# Altium PCB PCB1.PcbDoc (part 2 of 4) (continued)
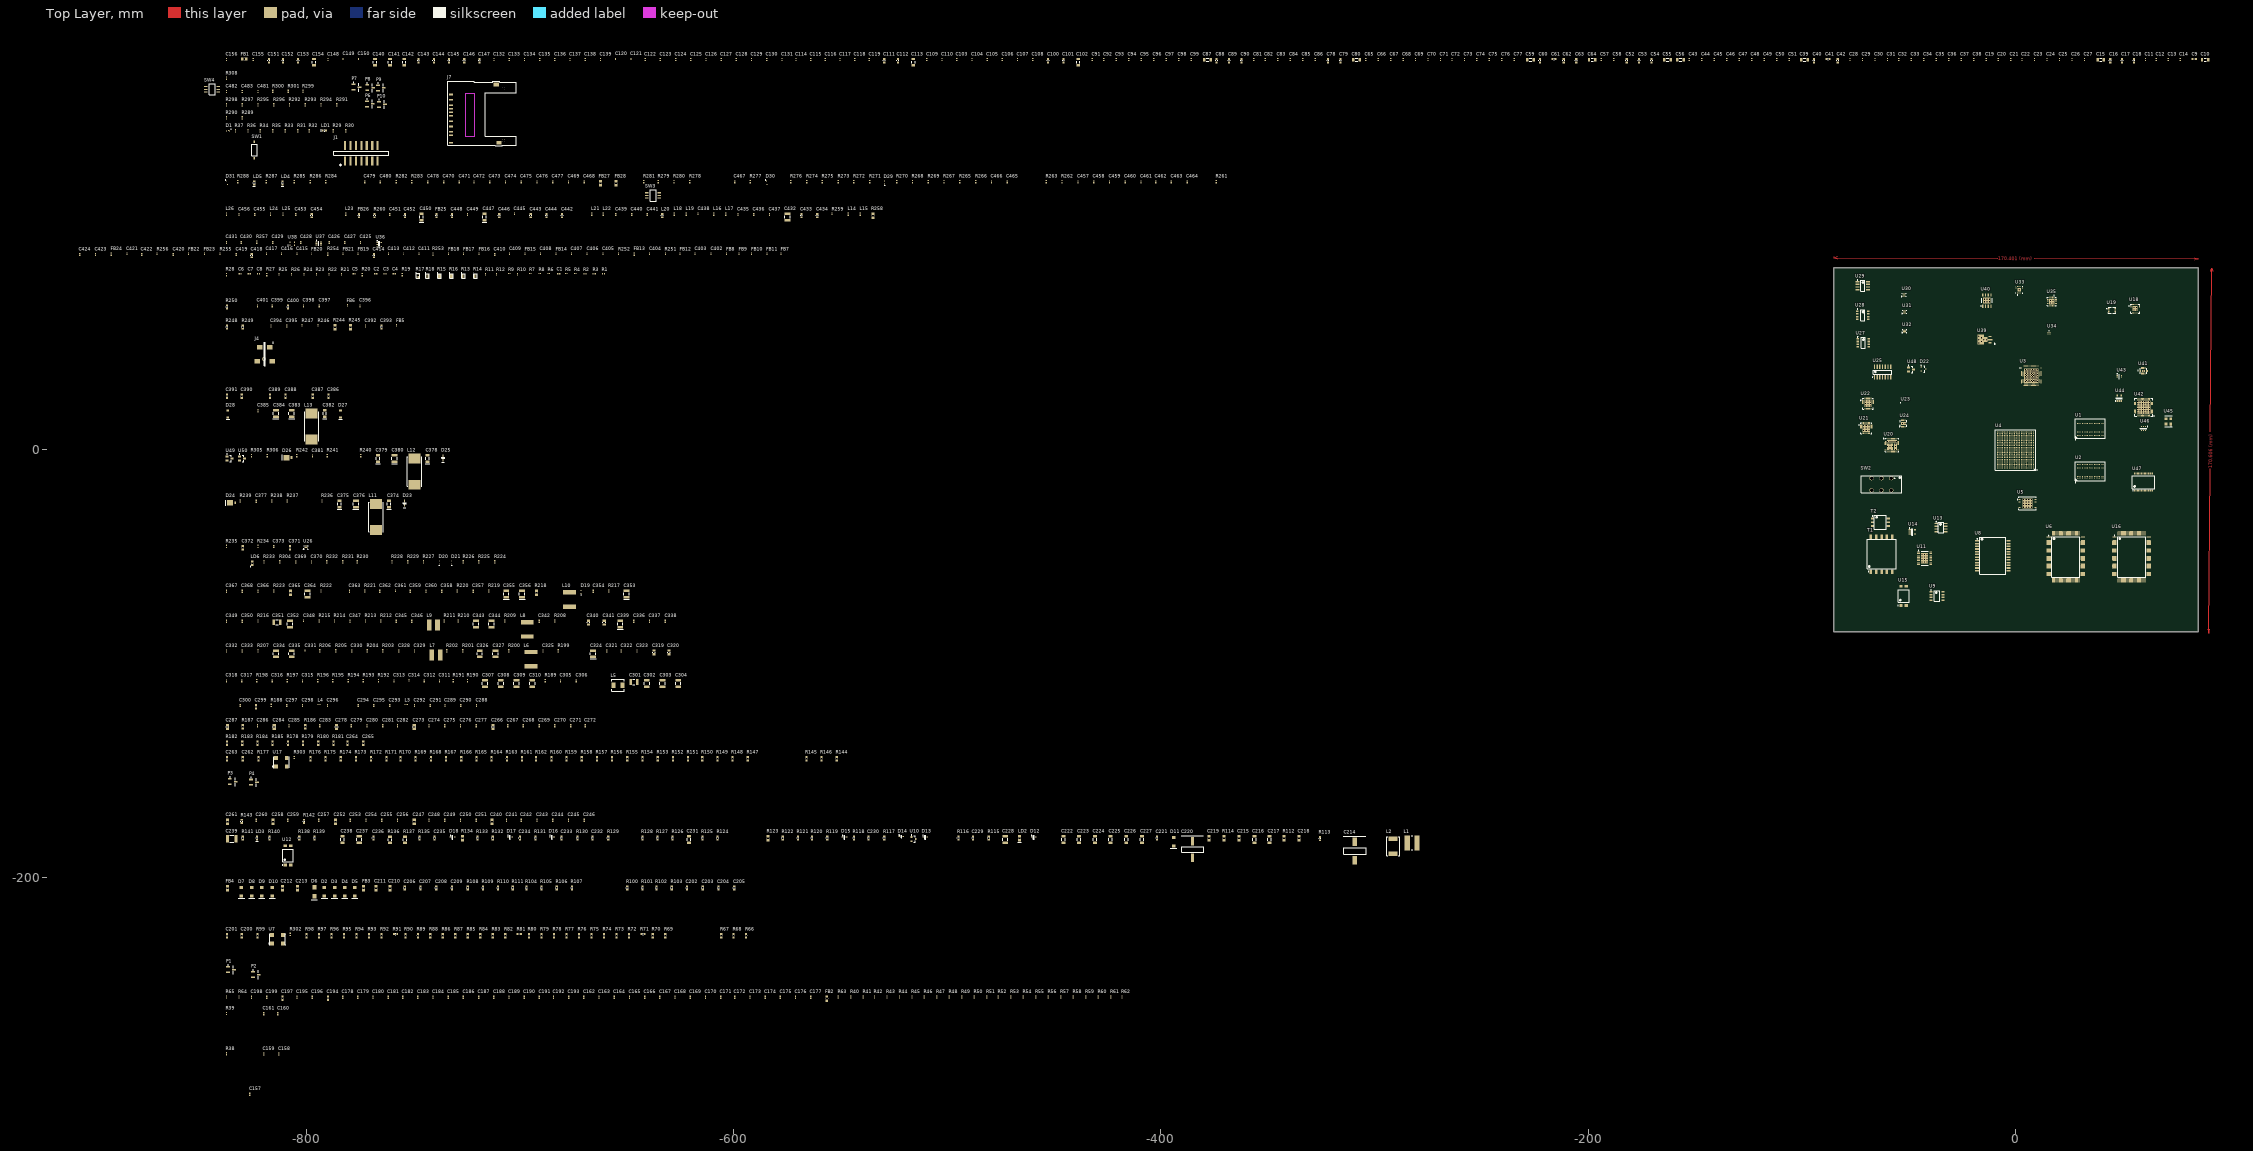
[diagram p0: Top Layer view]
## Components (designator, comment, footprint, x,y, rotation, side; value= is the part's Value field where it differs from the comment) (continued)
R272 "RES_0402" RESC0402(1005)_N -543.621,125.6 r90 top
R273 "RES_0402" RESC0402(1005)_N -550.987,125.6 r90 top
R274 "RES_0402" RESC0402(1005)_N -565.719,125.6 r90 top
R275 "RES_0402" RESC0402(1005)_N -558.353,125.6 r90 top
R276 "RES_0402" RESC0402(1005)_N -573.085,125.6 r90 top
R277 "RES_0402" RESC0402(1005)_N -592.135,125.6 r90 top
R278 "RES_0402" RESC0402(1005)_N -620.456,125.6 r90 top
R279 "RES_0402" RESC0402(1005)_N -635.188,125.6 r90 top
R280 "RES_0402" RESC0402(1005)_N -627.822,125.6 r90 top
R281 "RES_0402" RESC0402(1005)_N -642.046,125.6 r90 top
R282 "RES_0402" RESC0402(1005)_N -757.87,125.6 r90 top
R283 "RES_0402" RESC0402(1005)_N -750.504,125.6 r90 top
R284 "RES_0402" RESC0402(1005)_N -790.763,125.6 r90 top
R285 "RES_0402" RESC0402(1005)_N -805.495,125.6 r90 top
R286 "RES_0402" RESC0402(1005)_N -798.129,125.6 r90 top
R287 "RES_0402" RESC0402(1005)_N -818.703,125.6 r90 top
R288 "RES_0402" RESC0402(1005)_N -831.911,125.6 r90 top
R289 "RES_0402" RESC0402(1005)_N -829.879,155.445 r90 top
R290 "RES_0402" RESC0402(1005)_N -837.245,155.445 r90 top
R291 "RES_0402" RESC0402(1005)_N -785.683,161.541 r90 top
R292 "RES_0402" RESC0402(1005)_N -807.781,161.541 r90 top
R293 "RES_0402" RESC0402(1005)_N -800.415,161.541 r90 top
R294 "RES_0402" RESC0402(1005)_N -793.049,161.541 r90 top
R295 "RES_0402" RESC0402(1005)_N -822.513,161.541 r90 top
R296 "RES_0402" RESC0402(1005)_N -815.147,161.541 r90 top
R297 "RES_0402" RESC0402(1005)_N -829.879,161.541 r90 top
R298 "RES_0402" RESC0402(1005)_N -837.245,161.541 r90 top
R299 "RES_0402" RESC0402(1005)_N -801.431,167.891 r90 top
R300 "RES_0402" RESC0402(1005)_N -815.655,167.891 r90 top
R301 "RES_0402" RESC0402(1005)_N -808.289,167.891 r90 top
R302 "RES_0402" RESC0402(1005)_N -807.4,-226.698 r90 top
R303 "RES_0402" RESC0402(1005)_N -805.622,-143.894 r90 top
R304 "RES_0402" RESC0402(1005)_N -812.353,-52.327 r90 top
R305 "RES_0402" RESC0402(1005)_N -825.561,-2.67 r90 top
R306 "RES_0402" RESC0402(1005)_N -818.195,-2.67 r90 top
R308 "RES_0402" RESC0402(1005)_N -837.245,173.987 r90 top
SW1 "CHS-01TB" DIP_Switch_SPST_CopalElectronics_CHS-01TB -824.225,140.375 r90 top
SW2 "SPDT_Power" SPDT_Power_L102021ML04Q_Thru-Hole -62.7,-16.05 r270 top
SW3 "PushBut_Switch" PushButtonSwitch_CnK_1.14002.1110000 -637.575,119.125 r180 top
SW4 "PushBut_Switch" PushButtonSwitch_CnK_1.14002.1110000 -843.975,168.775 r0 top
T1 "FlybckTrans_Wurth_750310742" FlybckTrans_Wurth_750310742_10PinSMD -62.625,-48.725 r90 top
T2 "Trans_Coilcraft_DA2319-ALC" Trans_Coilcraft_DA2319-ALC_SOP-6 -63.175,-33.825 r0 top
U1 "MICRON_MT41J128M16HA_15ED" DDR3_MICRON_MT41J128M16HA-15ED_FBGA96 35,10 r90 top
U2 "MICRON_MT41J128M16HA_15ED" DDR3_MICRON_MT41J128M16HA-15ED_FBGA96 35,-10 r90 top
U3 "LMS6002DFN" RF_Transceiver_LimeMicro_LMS6002D_DQFN-116 7.475,34.8 r0 top
U4 "ZYNQ_XC7Z020CLG484PKG" ZYNQ_xc7z020clg484pkg_BGA-484 0,0 r180 top
U5 "SPI_Flash_S25FL256SAGNFI00" SPI_Flash_S25FL256SAGNFI00_WSON-8 5.675,-25 r0 top
U6 "EthernetPHY_TI_DP83865DVH" EthernetPHY_TI_DP83865(PQFP)_VLA128A_N 23.6,-50.05 r0 top
U7 "Oscillator_Vectron_VCC1-B2B-25M000" Oscillator_Vectron_VCC1-B2B-25M000_SMD -813.369,-228.984 r0 top
U8 "GigabitTransformer_Pulse_H6062NLT" GigabitTransformer_H6062NLT_SOP-24 -10.55,-49.525 r0 top
U9 "NMOS_Infinion_BSO051N03MS G" "NMOS_Infinion_BSO051N03MS G_PG-DSO-8" -36.7,-68.35 r0 top
U10 "PNP_ON_MMBT3906LT1G" MMBT3906LT1G_SOT23-3 -515.681,-182.121 r0 top
U11 "PoEControler_ST_PM8803TR" PoEControler_ST_PM8803TR_HTSSOP20 -42.5,-50.675 r0 top
U12 "OptoCoup_Fairchild_FOD817ASD" OptoCoup_Fairchild_FOD817ASD_4-SMD -808.45,-189.75 r90 top
U13 "NMOS_Vishay_SI4848DY-T1-E3" NMOS_Vishay_SI4848DY-T1-E3_SO-8 -34.825,-36.325 r0 top
U14 "ShuntRegu_ST_TS431AILT" ShuntRegu_ST_TS431AILT_SOT23-5 -48.25,-38.35 r0 top
U15 "OptoCoup_Fairchild_FOD817ASD" OptoCoup_Fairchild_FOD817ASD_4-SMD -52.325,-68.3 r90 top
U16 "EthernetPHY_TI_DP83865DVH" EthernetPHY_TI_DP83865(PQFP)_VLA128A_N 54.35,-50.05 r0 top
U17 "Oscillator_Vectron_VCC1-B2B-25M000" Oscillator_Vectron_VCC1-B2B-25M000_SMD -811.591,-146.18 r0 top
U18 "GPSReceiver_Skyworks_SE4110L" GPSReceiver_Skyworks_SE4110L_24QFN 56.075,66.125 r0 top
U19 "TCXO_TXC_7Q-16.368MBG-T" TCXO_TXC_7Q-16.368MBG-T_4-PIN 45.225,65.45 r0 top
U20 "MAX-MAX8686-SQ43" MAX_MAX8686_T4066M+1_N -57.775,2.275 r0 top
U21 "MAX_MAX15021ATI" MAX_MAX15021ATI_28TQFN_T2855-6 -69.8,10.225 r0 top
U22 "MAX_MAX15021ATI" MAX_MAX15021ATI_28TQFN_T2855-6 -68.975,21.7 r0 top
U23 "MAX_MAX15053EWL" MAX_MAX15053EWL_9WLP_W91E1Z+1 -52.85,21.15 r0 top
U24 "MAX_MAX1510ETB" MAX_MAX1510ETB_10TDFN_T1033+1 -52.3,12.4 r0 top
U25 "QuadComp_Fairchild_LM339M" QuadComp_Fairchild_LM339MX-NOPB_14SOIC -62.15,36.475 r90 top
U26 "LDO_Micrel_MIC94325YMTTR" LDO_Micrel_MIC94325YMTTR_TDFN-6 -800.034,-45.596 r0 top
U27 "Regulator_LT_LT1376CS8#PBF" LT1376CS8#PBF_8SOIC -71.25,50.15 r0 top
U28 "Regulator_LT_LT1376CS8#PBF" LT1376CS8#PBF_8SOIC -71.375,63.075 r0 top
U29 "Regulator_LT_LT1507CS8-3.3#PBF" Regulator_LT_LT1507CS8-3.3#PBF_8SOIC -71.425,76.875 r0 top
U30 "LDO_Micrel_MIC94355-GYMTTR" LDO_Micrel_MIC94325YMTTR_TDFN-6 -52.025,72.55 r0 top
U31 "LDO_Micrel_MIC94355-GYMTTR" LDO_Micrel_MIC94325YMTTR_TDFN-6 -51.8,64.55 r0 top
U32 "LDO_Micrel_MIC94355-GYMTTR" LDO_Micrel_MIC94325YMTTR_TDFN-6 -51.8,55.575 r0 top
U33 "Switch_Peregrine_PE42440" Switch_Peregrine_PE42440_16-QFN 1.8,75 r90 top
U34 "Balun_AnarenB0322J5050AHF" Balun_AnarenB0322J5050AHF_6-PIN_SMD 15.775,54.925 r0 top
U35 "Switch_Hittite_HMC849LP4CE" Switch_Hittite_HMC849LP4CE_16-QFN 17.05,69.45 r270 top
U36 "LDO_TI_LP3985" LDO_TI_LP3985_SOT23-5 -765.744,96.136 r0 top
U37 "LevelTranslator_TI_SN74AVC1T45" "LevelTranslator_TI_SN74AVC1T45 _SC70-6" -794.065,96.644 r0 top
U38 "TCXO_KYOCERA_KT2520Y40000ECV28TBA" TCXO_KYOCERA_KT2520Y40000ECV28TBA_PCB-6PIN -806.511,96.517 r0 top
U39 "GainBlock_RFMD_SGA6489" GainBlock_RFMD_SGA6489_PCB -13.4,51.65 r180 top
U40 "PA_RFMD_RFPA3800" PA_RFMD_RFPA3800_8-SOIC -13.35,69.95 r90 top
U41 "Buffer_74LCX126" Buffer_Fairchild_74LCX126_DQFN-14 60,37 r0 top
U42 "COM-UART-FT232H-SQ48" USB_COM_FTDI_FT232HQTRAY_QFN48_N 60,20 r180 top
U43 "Buffer_NCWZ07" Buffer_Fairchild_NCWZ07_SC70-6 48.625,34.225 r0 top
U44 "Buffer_NC7SZ125" Buffer_Fairchild_NC7SZ125_SOT95P280X145-5N 48.625,24.275 r90 top
U45 "FXO-HC536R-12" Oscillator_Fox_767-12-69_HC5 71.6,13.425 r90 top
U46 "EEPROM_Microchip_93LC56BT_IOT" EEPROM_Microchip_93LC56BT_IOT_SOT23-6 60,10 r270 top
U47 "CYPRESS_CY7C64225" Cypress_USB_UART_CY7C64225_SSSOP28 60,-15 r90 top
U48 "NMOS_Fairchild_FDV301" NMOS_FAIRCHILD_FDV301_SOT23-3 -48.898,37.603 r0 top
U49 "NMOS_Fairchild_FDV301" NMOS_FAIRCHILD_FDV301_SOT23-3 -835.848,-3.94 r0 top
U50 "NMOS_Fairchild_FDV301" NMOS_FAIRCHILD_FDV301_SOT23-3 -830.006,-3.94 r0 top

## Footprints (in the part's own frame and the unit in brackets; to place one, negate y for a bottom-side part, rotate by r counter-clockwise, add the part's x,y. Pads: shape width x height; smd on the part's side, far side on the other; paste and mask are expansions set on the pad)
Balun_AnarenB0322J5050AHF_6-PIN_SMD [mm]
  rect 0.41x0.33 smd: 1(-0.495,0.65) 2(-0.495,0) 3(-0.495,-0.65) 4(0.495,-0.65) 5(0.495,0) 6(0.495,0.65)
  silkscreen extent -0.05,0.84 0.05,0.94, body extent -0.69,-1.07 0.69,1.07, height 0.78
BarrelJack_PJ-028-SMT [mm]
  rect 2.6x2.2 smd: 1(2.3,3.25) 2(-2.3,3.25) 3(-3.5,-3.25) 3(3.5,-3.25)
  round 1.8 hole 1.4: 3(-0.4,-2.25)
  silkscreen extent -0.28,-5.5 4.06,5.53, body extent -3,-5.5 3,5.5, height 4.3
Buffer_Fairchild_74LCX126_DQFN-14 [mm]
  rect 0.9x0.24 smd: 1(-1.55,0.25) 2(-1.55,-0.25) 8(1.55,-0.25) 9(1.55,0.25)
  rect 0.24x0.9 smd: 3(-1,-1.3) 4(-0.5,-1.3) 5(0,-1.3) 6(0.5,-1.3) 7(1,-1.3) 10(1,1.3) 11(0.5,1.3) 12(0,1.3) 13(-0.5,1.3) 14(-1,1.3)
  rect 1.4x1 smd: 15(0,0)
  silkscreen extent -2.67,-1.25 1.52,1.25, body extent -1.5,-1.25 1.5,1.25, height 0.8
Buffer_Fairchild_NC7SZ125_SOT95P280X145-5N [mm] "SOT23, 5-Leads, Body 3.0x3.0mm (max), Pitch 0.95mm, IPC Medium Density"
  rect 1x0.7 smd: 1(-1.3,0.95) 2(-1.3,0) 3(-1.3,-0.95) 4(1.3,-0.95) 5(1.3,0.95)
  silkscreen extent -1.42,-1.5 0.25,1.97, body extent -0.85,-1.5 0.85,1.5, height 1.45
Buffer_Fairchild_NCWZ07_SC70-6 [mm] "NC7WZ07, dual non-inverting buffer, SC-70-6 (SOT-363)"
  rect 0.5x0.4 smd: 1(-0.95,0.65) 2(-0.95,0) 3(-0.95,-0.65) 4(0.95,-0.65) 5(0.95,0) 6(0.95,0.65)
  silkscreen extent -1.07,-1.1 0.1,1.52, body extent -0.67,-1.1 0.67,1.1, height 1
CAPC0201(0603)33_N [mm] "Chip Capacitor, Body 0.6x0.3mm, Height 0.33mm, IPC Medium Density"
  rect 0.46x0.42 smd: 1(-0.33,0) 2(0.33,0)
  body extent -0.31,-0.16 0.32,0.17, height 0.33
CAPC0402(1005)60_N [mm] "Chip Capacitor, Body 1.0x0.5mm, Height 0.6mm, IPC Medium Density"
  rect 0.62x0.62 smd: 1(-0.45,0) 2(0.45,0)
  body extent -0.55,-0.3 0.55,0.3, height 0.6
CAPC0603(1608)100_N [mm] "Chip Capacitor, Body 1.6x0.8mm, Height 1.0mm, IPC Medium Density"
  rect 0.9x1 smd: 1(-0.8,0) 2(0.8,0)
  silkscreen extent -0.05,-0.4 0.05,0.4, body extent -0.87,-0.48 0.88,0.47, height 1
CAPC0805(2012)75_N [mm] "Chip Capacitor, Body 2.0x1.2mm, Height 0.75mm, IPC Medium Density"
  rect 1.15x1.45 smd: 1(-0.9,0) 2(0.9,0)
  silkscreen extent -0.05,-0.62 0.05,0.63, body extent -1.1,-0.72 1.1,0.73, height 0.75
CAPC1206(3216)100_N [mm] "Chip Capacitor, Body 3.2x1.6mm, Height 1mm, IPC Medium Density"
  rect 1.15x1.8 smd: 1(-1.5,0) 2(1.5,0)
  silkscreen extent -0.55,-0.8 0.55,0.8, body extent -1.7,-0.9 1.7,0.9, height 1
CAPC1210(3225)100_N [mm] "Chip Capacitor, Body 3.2x2.5mm, Height 1mm, IPC Medium Density"
  rect 1.15x2.7 smd: 1(-1.5,0) 2(1.5,0)
  silkscreen extent -0.55,-1.25 0.55,1.25, body extent -1.7,-1.35 1.7,1.35, height 1
CAPC1812(4532)250_N [mm] "Chip Capacitor, Body 4.5x3.2mm, Height 2.5mm, IPC Medium Density"
  rect 1.4x3.4 smd: 1(-2.05,0) 2(2.05,0)
  silkscreen extent -0.95,-1.6 0.95,1.6, body extent -2.4,-1.7 2.4,1.7, height 2.5
CapPol_Al_EEE-2AA330P [mm]
  rect 4.1x2 smd: 1(-4.35,0) 2(4.35,0)
  silkscreen extent -1.6,-5.25 6.86,5.33, body extent -5.25,-5.25 5.25,5.25, height 10.5
CapPol_Al_PCV1D331MCL2GS [mm]
  rect 4x1.6 smd: 1(-3.9,0) 2(3.9,0)
  silkscreen extent -1.25,-5.15 6.35,5.21, body extent -5.15,-5.15 5.15,5.15, height 10
Cypress_USB_UART_CY7C64225_SSSOP28 [mm] "CY7C64225-28PVXC, USB-UART bridge"
  oval 1x0.45 smd: 1(-3.95,4.225) 2(-3.95,3.575) 3(-3.95,2.925) 4(-3.95,2.275) 5(-3.95,1.625) 6(-3.95,0.975) 7(-3.95,0.325) 8(-3.95,-0.325) 9(-3.95,-0.975) 10(-3.95,-1.625) 11(-3.95,-2.275) 12(-3.95,-2.925) 13(-3.95,-3.575) 14(-3.95,-4.225) 15(3.95,-4.225) 16(3.95,-3.575) 17(3.95,-2.925) 18(3.95,-2.275) 19(3.95,-1.625) 20(3.95,-0.975) 21(3.95,-0.325) 22(3.95,0.325) 23(3.95,0.975) 24(3.95,1.625) 25(3.95,2.275) 26(3.95,2.925) 27(3.95,3.575) 28(3.95,4.225)
  silkscreen extent -4.07,-5.2 3.05,5.2, body extent -2.8,-5.2 2.8,5.2, height 2
DDR3_MICRON_MT41J128M16HA-15ED_FBGA96 [mm] "BGA, 144-Leads, Body 14.0x9.0mm,  Pitch 0.80mm"
  round 0.35 smd: A1(-3.2,6) A2(-2.4,6) A3(-1.6,6) A7(1.6,6) A8(2.4,6) A9(3.2,6) B1(-3.2,5.2) B2(-2.4,5.2) B3(-1.6,5.2) B7(1.6,5.2) B8(2.4,5.2) B9(3.2,5.2) C1(-3.2,4.4) C2(-2.4,4.4) C3(-1.6,4.4) C7(1.6,4.4) C8(2.4,4.4) C9(3.2,4.4) D1(-3.2,3.6) D2(-2.4,3.6) D3(-1.6,3.6) D7(1.6,3.6) D8(2.4,3.6) D9(3.2,3.6) E1(-3.2,2.8) E2(-2.4,2.8) E3(-1.6,2.8) E7(1.6,2.8) E8(2.4,2.8) E9(3.2,2.8) F1(-3.2,2) F2(-2.4,2) F3(-1.6,2) F7(1.6,2) F8(2.4,2) F9(3.2,2) G1(-3.2,1.2) G2(-2.4,1.2) G3(-1.6,1.2) G7(1.6,1.2) G8(2.4,1.2) G9(3.2,1.2) H1(-3.2,0.4) H2(-2.4,0.4) H3(-1.6,0.4) H7(1.6,0.4) H8(2.4,0.4) H9(3.2,0.4) J1(-3.2,-0.4) J2(-2.4,-0.4) J3(-1.6,-0.4) J7(1.6,-0.4) J8(2.4,-0.4) J9(3.2,-0.4) K1(-3.2,-1.2) K2(-2.4,-1.2) K3(-1.6,-1.2) K7(1.6,-1.2) K8(2.4,-1.2) K9(3.2,-1.2) L1(-3.2,-2) L2(-2.4,-2) L3(-1.6,-2) L7(1.6,-2) L8(2.4,-2) L9(3.2,-2) M1(-3.2,-2.8) M2(-2.4,-2.8) M3(-1.6,-2.8) M7(1.6,-2.8) M8(2.4,-2.8) M9(3.2,-2.8) N1(-3.2,-3.6) N2(-2.4,-3.6) N3(-1.6,-3.6) N7(1.6,-3.6) N8(2.4,-3.6) N9(3.2,-3.6) P1(-3.2,-4.4) P2(-2.4,-4.4) P3(-1.6,-4.4) P7(1.6,-4.4) P8(2.4,-4.4) P9(3.2,-4.4) R1(-3.2,-5.2) R2(-2.4,-5.2) R3(-1.6,-5.2) R7(1.6,-5.2) R8(2.4,-5.2) R9(3.2,-5.2) T1(-3.2,-6) T2(-2.4,-6) T3(-1.6,-6) T7(1.6,-6) T8(2.4,-6) T9(3.2,-6)
  silkscreen extent -5.27,-7 4.5,7, body extent -4.5,-7.01 4.5,6.98, height 0.9
Diode_DB2J31700L_2-PIN [mm]
  rect 1.3x0.6 smd: 1(-1,0)
  rect 1.3x0.45 smd: 2(1,0)
  silkscreen extent -2.03,-0.7 0.2,0.7, body extent -0.9,-0.67 0.9,0.67, height 0.8
DIP_Switch_SPST_CopalElectronics_CHS-01TB [mm]
  rect 1.2x0.75 smd: 1(-3.8,0) 2(3.8,0)
  silkscreen extent -2.7,-1.25 2.7,1.25, body extent -2.7,-1.25 2.7,1.25, height 2.5
EEPROM_Microchip_93LC56BT_IOT_SOT23-6 [mm] "93LC56BT-I/OT, EEPROM 2Kbit 3MHz, SOT23-6"
  rect 0.5x0.5 smd: 1(-0.95,0.95) 2(-0.95,0) 3(-0.95,-0.95) 4(0.95,-0.95) 5(0.95,0) 6(0.95,0.95)
  silkscreen extent -1.07,-1.55 0.15,1.88, body extent -0.87,-1.55 0.87,1.55, height 1.45
EthernetPHY_TI_DP83865(PQFP)_VLA128A_N [mm] "Shrink QFP, 128-Leads, Body 20x14 mm, Pitch 0.5mm, IPC Medium Density"
  oval 2.1x0.3 smd: 1(-8,9.25) 2(-8,8.75) 3(-8,8.25) 4(-8,7.75) 5(-8,7.25) 6(-8,6.75) 7(-8,6.25) 8(-8,5.75) 9(-8,5.25) 10(-8,4.75) 11(-8,4.25) 12(-8,3.75) 13(-8,3.25) 14(-8,2.75) 15(-8,2.25) 16(-8,1.75) 17(-8,1.25) 18(-8,0.75) 19(-8,0.25) 20(-8,-0.25) 21(-8,-0.75) 22(-8,-1.25) 23(-8,-1.75) 24(-8,-2.25) 25(-8,-2.75) 26(-8,-3.25) 27(-8,-3.75) 28(-8,-4.25) 29(-8,-4.75) 30(-8,-5.25) 31(-8,-5.75) 32(-8,-6.25) 33(-8,-6.75) 34(-8,-7.25) 35(-8,-7.75) 36(-8,-8.25) 37(-8,-8.75) 38(-8,-9.25) 65(8,-9.25) 66(8,-8.75) 67(8,-8.25) 68(8,-7.75) 69(8,-7.25) 70(8,-6.75) 71(8,-6.25) 72(8,-5.75) 73(8,-5.25) 74(8,-4.75) 75(8,-4.25) 76(8,-3.75) 77(8,-3.25) 78(8,-2.75) 79(8,-2.25) 80(8,-1.75) 81(8,-1.25) 82(8,-0.75) 83(8,-0.25) 84(8,0.25) 85(8,0.75) 86(8,1.25) 87(8,1.75) 88(8,2.25) 89(8,2.75) 90(8,3.25) 91(8,3.75) 92(8,4.25) 93(8,4.75) 94(8,5.25) 95(8,5.75) 96(8,6.25) 97(8,6.75) 98(8,7.25) 99(8,7.75) 100(8,8.25) 101(8,8.75) 102(8,9.25)
  oval 0.3x2.1 smd: 39(-6.25,-11) 40(-5.75,-11) 41(-5.25,-11) 42(-4.75,-11) 43(-4.25,-11) 44(-3.75,-11) 45(-3.25,-11) 46(-2.75,-11) 47(-2.25,-11) 48(-1.75,-11) 49(-1.25,-11) 50(-0.75,-11) 51(-0.25,-11) 52(0.25,-11) 53(0.75,-11) 54(1.25,-11) 55(1.75,-11) 56(2.25,-11) 57(2.75,-11) 58(3.25,-11) 59(3.75,-11) 60(4.25,-11) 61(4.75,-11) 62(5.25,-11) 63(5.75,-11) 64(6.25,-11) 103(6.25,11) 104(5.75,11) 105(5.25,11) 106(4.75,11) 107(4.25,11) 108(3.75,11) 109(3.25,11) 110(2.75,11) 111(2.25,11) 112(1.75,11) 113(1.25,11) 114(0.75,11) 115(0.25,11) 116(-0.25,11) 117(-0.75,11) 118(-1.25,11) 119(-1.75,11) 120(-2.25,11) 121(-2.75,11) 122(-3.25,11) 123(-3.75,11) 124(-4.25,11) 125(-4.75,11) 126(-5.25,11) 127(-5.75,11) 128(-6.25,11)
  silkscreen extent -8.12,-9.55 6.55,10.07, body extent -7,-10 7,10, height 3.26
FlybckTrans_Wurth_750310742_10PinSMD [mm]
  rect 2.1x1.17 smd: 1(-8.18,4.96) 2(-8.18,2.48) 3(-8.18,0) 4(-8.18,-2.48) 5(-8.18,-4.96) 6(8.18,-4.96) 7(8.18,-2.48) 8(8.18,0) 9(8.18,2.48) 10(8.18,4.96)
  silkscreen extent -8.3,-6.75 6.82,6.75, body extent -6.98,-6.73 6.98,6.73, height 20
GainBlock_RFMD_SGA6489_PCB [mm]
  rect 1.52x0.6 smd mask+0.102: 1(-1.475,1.5)
  rect 2.4x0.6 smd mask+0.102: 2(-1.475,0)
  rect 1.52x0.6 smd: 3(-1.475,-1.5)
  rect 1.65x2.4 smd mask+0.102: 4(0.508,0)
  rect 3x4.57 smd mask+0.102: 4(2.794,0)
  silkscreen extent -3.93,1.78 -3.43,2.28, body extent -1.25,-2.25 1.25,2.25, height 1.5
GigabitTransformer_H6062NLT_SOP-24 [mm]
  rect 1.91x0.76 smd: 1(-7.3,6.985) 2(-7.3,5.715) 3(-7.3,4.445) 4(-7.3,3.175) 5(-7.3,1.905) 6(-7.3,0.635) 7(-7.3,-0.635) 8(-7.3,-1.905) 9(-7.3,-3.175) 10(-7.3,-4.445) 11(-7.3,-5.715) 12(-7.3,-6.985) 13(7.3,-6.985) 14(7.3,-5.715) 15(7.3,-4.445) 16(7.3,-3.175) 17(7.3,-1.905) 18(7.3,-0.635) 19(7.3,0.635) 20(7.3,1.905) 21(7.3,3.175) 22(7.3,4.445) 23(7.3,5.715) 24(7.3,6.985)
  silkscreen extent -7.42,-8.75 6.07,8.75, body extent -6.1,-8.76 6.1,8.77, height 5.51
GPSReceiver_Skyworks_SE4110L_24QFN [mm]
  rect 0.5x0.25 smd: 1(-2.025,1.25) 2(-2.025,0.75) 3(-2.025,0.25) 4(-2.025,-0.25) 5(-2.025,-0.75) 6(-2.025,-1.25) 13(2.025,-1.25) 14(2.025,-0.75) 15(2.025,-0.25) 16(2.025,0.25) 17(2.025,0.75) 18(2.025,1.25)
  rect 0.25x0.5 smd: 7(-1.25,-2.025) 8(-0.75,-2.025) 9(-0.25,-2.025) 10(0.25,-2.025) 11(0.75,-2.025) 12(1.25,-2.025) 19(1.25,2.025) 20(0.75,2.025) 21(0.25,2.025) 22(-0.25,2.025) 23(-0.75,2.025) 24(-1.25,2.025)
  rect 2.3x2.3 smd: 25(0,0)
  silkscreen extent -2.95,-2.05 2.05,2.05, body extent -2.05,-2.05 2.05,2.05, height 1
Header_3-Pos_Sullins_GRPB031VWTC-RC [mm]
  rect 1.7x0.71 smd: 1(-1.4,1.27) 2(1.4,0) 3(-1.4,-1.27)
  silkscreen extent -1.52,-1.9 1.07,2.3, body extent -1.07,-1.91 1.07,1.91, height 5.1
Inductor0201(0603) [mm] "Chip Resistor, Body 0.6x0.3mm, IPC Medium Density"
  rect 0.45x0.45 smd: 1(-0.35,0) 2(0.35,0)
  body extent -0.31,-0.16 0.31,0.16, height 0.3
Inductor0402(1005) [mm] "Chip Resistor, Body 1.0x0.5mm, IPC Medium Density"
  rect 0.55x0.65 smd: 1(-0.5,0) 2(0.5,0)
  body extent -0.52,-0.27 0.53,0.28, height 0.4
Inductor0603(1608) [mm] "Chip Resistor, Body 1.6x0.8mm, IPC Medium Density"
  rect 0.9x1 smd: 1(-0.8,0) 2(0.8,0)
  silkscreen extent -0.05,-0.4 0.05,0.4, body extent -0.85,-0.47 0.85,0.47, height 0.6
Inductor0805(2012) [mm] "Chip Resistor, Body 2.0x1.3mm, IPC Medium Density"
  rect 1.05x1.4 smd: 1(-0.95,0) 2(0.95,0)
  silkscreen extent -0.05,-0.6 0.05,0.6, body extent -1.1,-0.67 1.1,0.68, height 0.7
Inductor_DO1813H-181MLB_2-PINS [mm]
  rect 2.1x4.06 smd: 1(-3.49,0) 2(3.49,0)
  silkscreen extent -4.45,-3.05 4.45,3.05, body extent -4.44,-3.05 4.44,3.05, height 5
Inductor_IHLP2020CZER1R5M01_2-PIN [mm]
  rect 1.92x2.79 smd: 1(-2.05,0) 2(2.05,0)
  silkscreen extent -2.9,-2.75 2.9,2.75, body extent -2.87,-2.71 2.87,2.72, height 4.5
Inductor_IHSM4825ER_2-PIN [mm]
  rect 4.6x5.6 smd: 1(-6.1,0) 2(6.1,0)
  silkscreen extent -6.9,-3.35 6.9,3.35, body extent -6.86,-3.32 6.86,3.32, height 5.72
Inductor_MSS7341-103MLB_2-PIN [mm]
  rect 2.5x7.1 smd: 1(-2.3,0) 2(2.3,0)
  silkscreen extent -0.43,-3.3 0.43,3.3, body extent -3.3,-3.3 3.3,3.3, height 4.1
Inductor_NRS5020T1R0NMGJ_2-PIN [mm]
  rect 2.2x5.2 smd: 1(-1.95,0) 2(1.95,0)
  body extent -2.55,-2.55 2.55,2.55, height 2
Inductor_SRN6045-Series_2-PIN [mm]
  rect 2x6 smd: 1(-3.35,0) 2(3.35,0)
  body extent -3.08,-3.09 3.1,3.09, height 4.5
JTAG_Header_7X2_Sullins_SBH11-NBPC-D07-SM-BK [mm]
  rect 4.15x1 smd: 1(-3.575,7.62) 2(3.575,7.62) 3(-3.575,5.08) 4(3.575,5.08) 5(-3.575,2.54) 6(3.575,2.54) 7(-3.575,0) 8(3.575,0) 9(-3.575,-2.54) 10(3.575,-2.54) 11(-3.575,-5.08) 12(3.575,-5.08) 13(-3.575,-7.62) 14(3.575,-7.62)
  silkscreen extent -5.81,-12.85 0.89,12.85, body extent -4.55,-12.85 4.55,12.85, height 8.8
LDO_Micrel_MIC94325YMTTR_TDFN-6 [mm] "IC REG LDO ADJ .5A 6TDFN"
  rect 0.25x0.4 smd: 1(-0.5,-0.65) 2(0,-0.65) 3(0.5,-0.65) 4(0.5,0.65) 5(0,0.65) 6(-0.5,0.65)
  rect 1.4x0.5 smd: 3(0,0)
  silkscreen extent -1.37,-0.85 1.03,0.85, body extent -0.82,-0.65 0.83,0.65, height 0.6
LDO_TI_LP3985_SOT23-5 [mm] "LDO_TI_LP3985,150mA,CMOS"
  rect 0.6x0.6 smd: 1(-0.95,0.95) 2(-0.95,0) 3(-0.95,-0.95) 4(0.95,-0.95) 5(0.95,0.95)
  silkscreen extent -1.07,-1.5 0.15,1.92, body extent -0.87,-1.52 0.87,1.53, height 1.45
LED0603(1608) [mm] "Chip Resistor, Body 1.6x0.8mm, IPC Medium Density"
  rect 0.9x1 smd: 1(-0.8,0) 2(0.8,0)
  silkscreen extent -1.52,-0.6 0.05,0.6, body extent -0.85,-0.47 0.85,0.47, height 0.6
LED0603(1608)_HSMG-C190 [mm] "Chip Resistor, Body 1.6x0.8mm, IPC Medium Density"
  rect 0.9x1 smd: 1(-0.8,0) 2(0.8,0)
  silkscreen extent -1.72,-0.4 0.05,0.86, body extent -0.85,-0.47 0.85,0.47, height 0.6
LED0805(2012) [mm] "Chip Resistor, Body 2.0x1.3mm, IPC Medium Density"
  rect 1.05x1.4 smd: 1(-0.95,0) 2(0.95,0)
  silkscreen extent -1.78,-0.8 0.05,0.8, body extent -1.1,-0.67 1.1,0.68, height 0.7
"LevelTranslator_TI_SN74AVC1T45 _SC70-6" [mm] "Level Translator, IC BUS TRANSCVR TRI-ST SC70-6"
  rect 0.85x0.35 smd: 1(-1.1,0.65) 2(-1.1,0) 3(-1.1,-0.65) 4(1.1,-0.65) 5(1.1,0) 6(1.1,0.65)
  silkscreen extent -1.22,-1.1 0.1,1.5, body extent -0.7,-1.07 0.7,1.08, height 1.1
LT1376CS8#PBF_8SOIC [mm]
  rect 1.15x0.76 smd: 1(-2.6,1.905) 2(-2.6,0.635) 3(-2.6,-0.635) 4(-2.6,-1.905) 5(2.6,-1.905) 6(2.6,-0.635) 7(2.6,0.635) 8(2.6,1.905)
  silkscreen extent -2.72,-2.5 0.9,2.96, body extent -1.99,-2.5 1.99,2.5, height 1.75
MAX_MAX1510ETB_10TDFN_T1033+1 [mm] "MAX1510ETB, Low-Voltage, DDR Linear Regulators, DFN10"
  rect 0.3x0.7 smd: 1(-1,-1.475) 2(-0.5,-1.475) 3(0,-1.475) 4(0.5,-1.475) 5(1,-1.475) 6(1,1.475) 7(0.5,1.475) 8(0,1.475) 9(-0.5,1.475) 10(-1,1.475)
  rect 2.35x1.58 smd: 11(0,0)
  silkscreen extent -2.02,-1.6 1.55,1.55, body extent -1.55,-1.55 1.55,1.55, height 0.8
MAX_MAX8686_T4066M+1_N [mm] "QFN, 40-Leads, Body 6x6mm, Pitch 0.5mm, Three Thermal Pads, IPC Medium Density"
  oval 0.8x0.25 smd: 1(-3,2.25) 2(-3,1.75) 3(-3,1.25) 4(-3,0.75) 5(-3,0.25) 6(-3,-0.25) 7(-3,-0.75) 8(-3,-1.25) 9(-3,-1.75) 10(-3,-2.25) 21(3,-2.25) 22(3,-1.75) 23(3,-1.25) 24(3,-0.75) 25(3,-0.25) 26(3,0.25) 27(3,0.75) 28(3,1.25) 29(3,1.75) 30(3,2.25)
  oval 0.25x0.8 smd: 11(-2.25,-3) 12(-1.75,-3) 13(-1.25,-3) 14(-0.75,-3) 15(-0.25,-3) 16(0.25,-3) 17(0.75,-3) 18(1.25,-3) 19(1.75,-3) 20(2.25,-3) 31(2.25,3) 32(1.75,3) 33(1.25,3) 34(0.75,3) 35(0.25,3) 36(-0.25,3) 37(-0.75,3) 38(-1.25,3) 39(-1.75,3) 40(-2.25,3)
  rect 4.59x1.11 smd: 41(0,1.74)
  rect 1.34x3.12 smd: 42(1.625,-0.735)
  rect 2.84x3.12 smd: 43(-0.875,-0.735)
  silkscreen extent -3.97,-3.2 3.2,3.2, body extent -3.05,-3.05 3.05,3.05, height 0.8
MAX_MAX15021ATI_28TQFN_T2855-6 [mm] "MAX15021ATI, 4A/2A, 4MHz, Step-Down DC-DC Regulator, TQFN28"
  rect 0.85x0.3 smd: 1(-2.425,1.5) 2(-2.425,1) 3(-2.425,0.5) 4(-2.425,0) 5(-2.425,-0.5) 6(-2.425,-1) 7(-2.425,-1.5) 15(2.425,-1.5) 16(2.425,-1) 17(2.425,-0.5) 18(2.425,0) 19(2.425,0.5) 20(2.425,1) 21(2.425,1.5)
  rect 0.3x0.85 smd: 8(-1.5,-2.425) 9(-1,-2.425) 10(-0.5,-2.425) 11(0,-2.425) 12(0.5,-2.425) 13(1,-2.425) 14(1.5,-2.425) 22(1.5,2.425) 23(1,2.425) 24(0.5,2.425) 25(0,2.425) 26(-0.5,2.425) 27(-1,2.425) 28(-1.5,2.425)
  rect 3.4x3.4 smd: 29(0,0)
  silkscreen extent -3.52,-2.55 2.55,2.55, body extent -2.55,-2.55 2.55,2.55, height 0.8
MAX_MAX15053EWL_9WLP_W91E1Z+1 [mm] "MAX15053EWL, 2A, Current-Mode Synchronous, Step-Down reg, WLP9"
  round 0.25 smd: A1(-0.5,0.5) A2(0,0.5) A3(0.5,0.5) B1(-0.5,0) B2(0,0) B3(0.5,0) C1(-0.5,-0.5) C2(0,-0.5) C3(0.5,-0.5)
  silkscreen extent -1.01,0.91 -0.91,1.01, body extent -0.75,-0.75 0.75,0.75, height 0.69
MMBT3906LT1G_SOT23-3 [mm]
  rect 0.9x0.8 smd: 1(-1,0.95) 2(-1,-0.95) 3(1,0)
  silkscreen extent -1.12,-1.5 0.7,2.02, body extent -0.7,-1.52 0.7,1.52, height 1.11
NMOS_FAIRCHILD_FDV301_SOT23-3 [mm]
  rect 1.4x0.95 smd: D(1.1,0) G(-1.1,0.95) S(-1.1,-0.95)
  silkscreen extent -1.22,-1.55 0.75,2.1, body extent -0.75,-1.56 0.75,1.56, height 1.2
"NMOS_Infinion_BSO051N03MS G_PG-DSO-8" [mm] "MOSFET N-CH 30V 14A DSO-8"
  rect 1.31x0.65 smd: 1(-2.845,1.905) 2(-2.845,0.635) 3(-2.845,-0.635) 4(-2.845,-1.905) 5(2.845,-1.905) 6(2.845,-0.635) 7(2.845,0.635) 8(2.845,1.905)
  silkscreen extent -2.97,-2.5 1.3,2.9, body extent -2,-2.5 2,2.5, height 1.75
NMOS_Vishay_SI4848DY-T1-E3_SO-8 [mm]
  rect 1.94x0.559 smd: 1(-2.154,1.905) 2(-2.154,0.635) 3(-2.154,-0.635) 4(-2.154,-1.905) 5(2.154,-1.905) 6(2.154,-0.635) 7(2.154,0.635) 8(2.154,1.905)
  silkscreen extent -2.28,-2.5 1.25,2.86, body extent -2,-2.5 2,2.5, height 1.75
OptoCoup_Fairchild_FOD817ASD_4-SMD [mm]
  rect 1.3x1.5 smd: 1(-4.5,1.27) 2(-4.5,-1.27) 3(4.5,-1.27) 4(4.5,1.27)
  silkscreen extent -4.62,-2.55 2.97,2.69, body extent -3.5,-2.55 3.5,2.55, height 4.6
Oscillator_Fox_767-12-69_HC5 [mm]
  rect 1.24x1.29 smd: 1(-1.27,-1.125) 2(1.27,-1.125) 3(1.27,1.125) 4(-1.27,1.125)
  silkscreen extent -2.6,-1.7 2.6,1.7, body extent -2.57,-1.68 2.58,1.67, height 1.4
Oscillator_Vectron_VCC1-B2B-25M000_SMD [mm]
  rect 1.8x2 smd: 1(-2.54,-2) 2(2.54,-2) 3(2.54,2) 4(-2.54,2)
  silkscreen extent -4.21,-2.6 3.8,2.6, body extent -3.6,-2.6 3.6,2.6, height 1.9